# Altium PCB PCB2.PcbDoc (part 1 of 3)
Units mm, origin at the board's own origin, x right, y up, seen from the top; angles counter-clockwise.
Board outline 119.14 x 92.59 mm, 4 copper layers (Top Layer, GND Layer, PWR Layer, Bottom Layer), stack 1.471 mm thick; 167 components, 167 nets, 891 pads, 337 vias.
Unrouted connection lines stored in the file: 145.
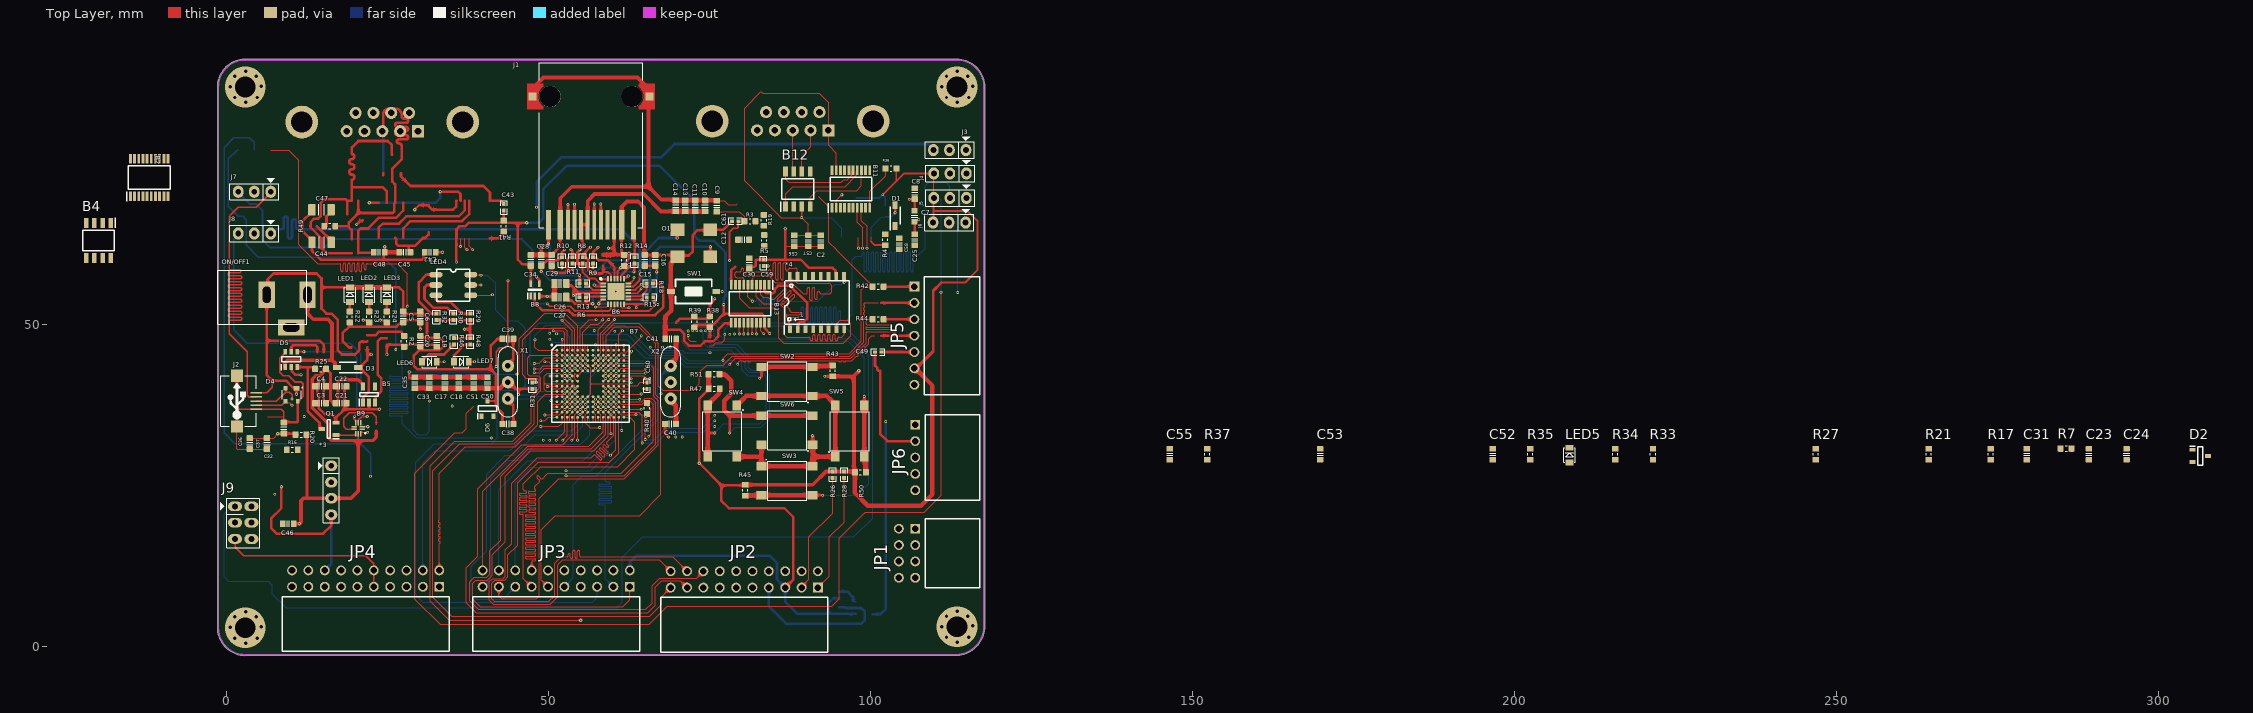
[diagram p0: Top Layer view]
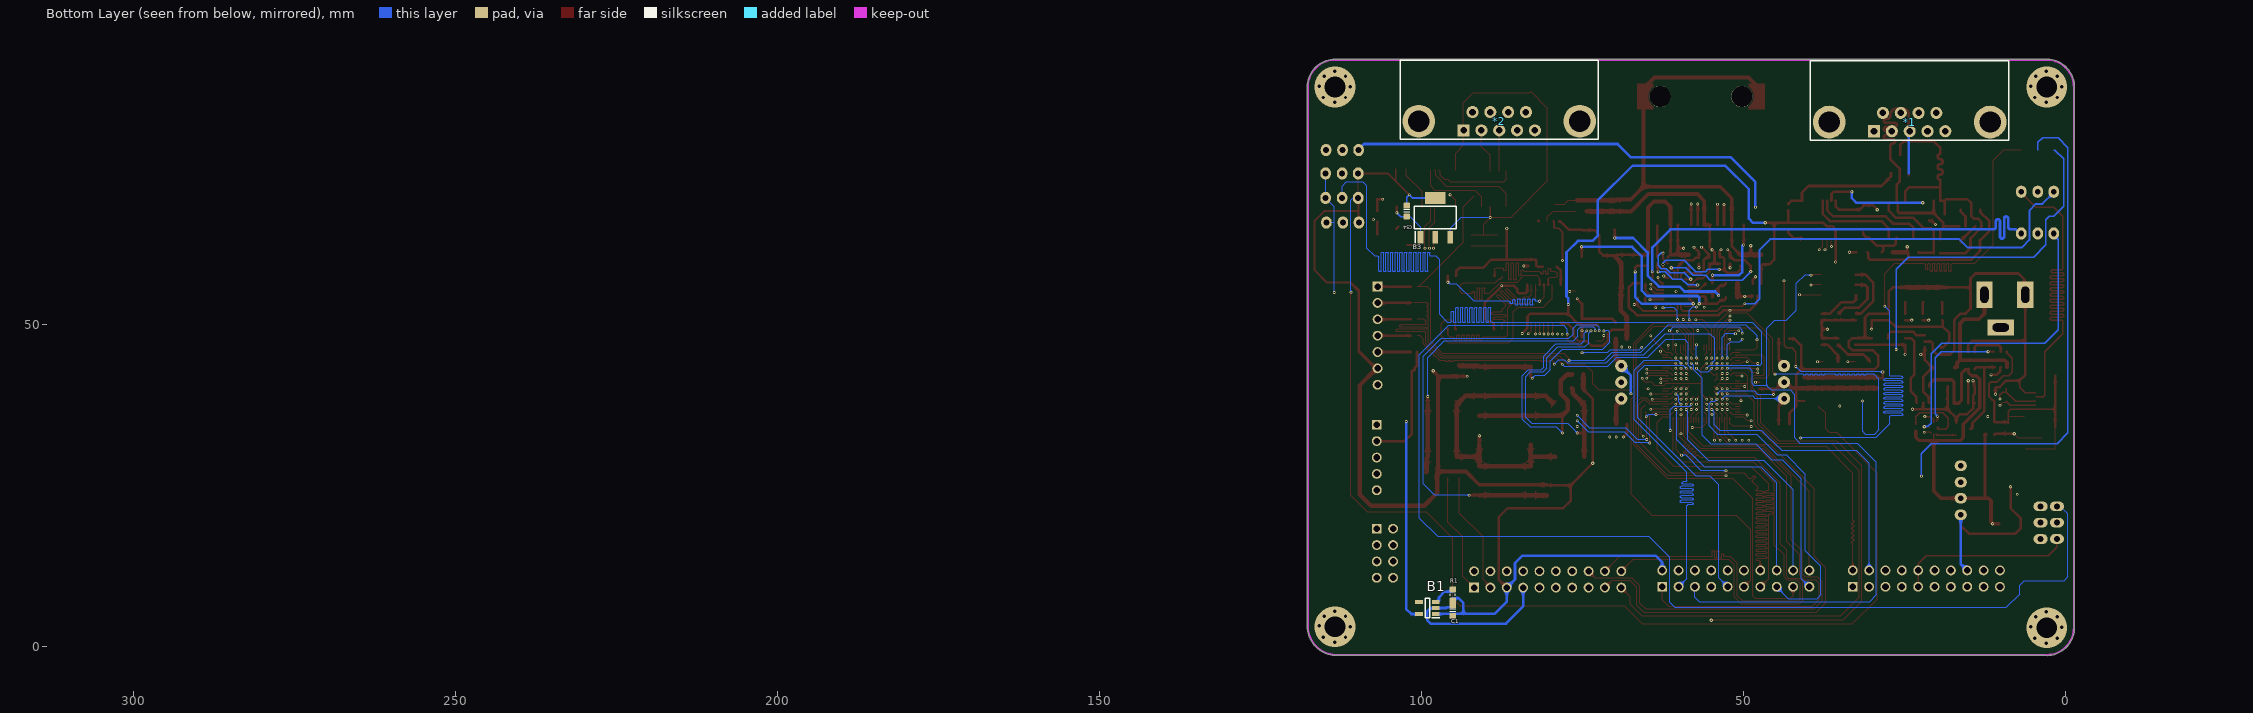
[diagram p1: Bottom Layer view, seen from below]
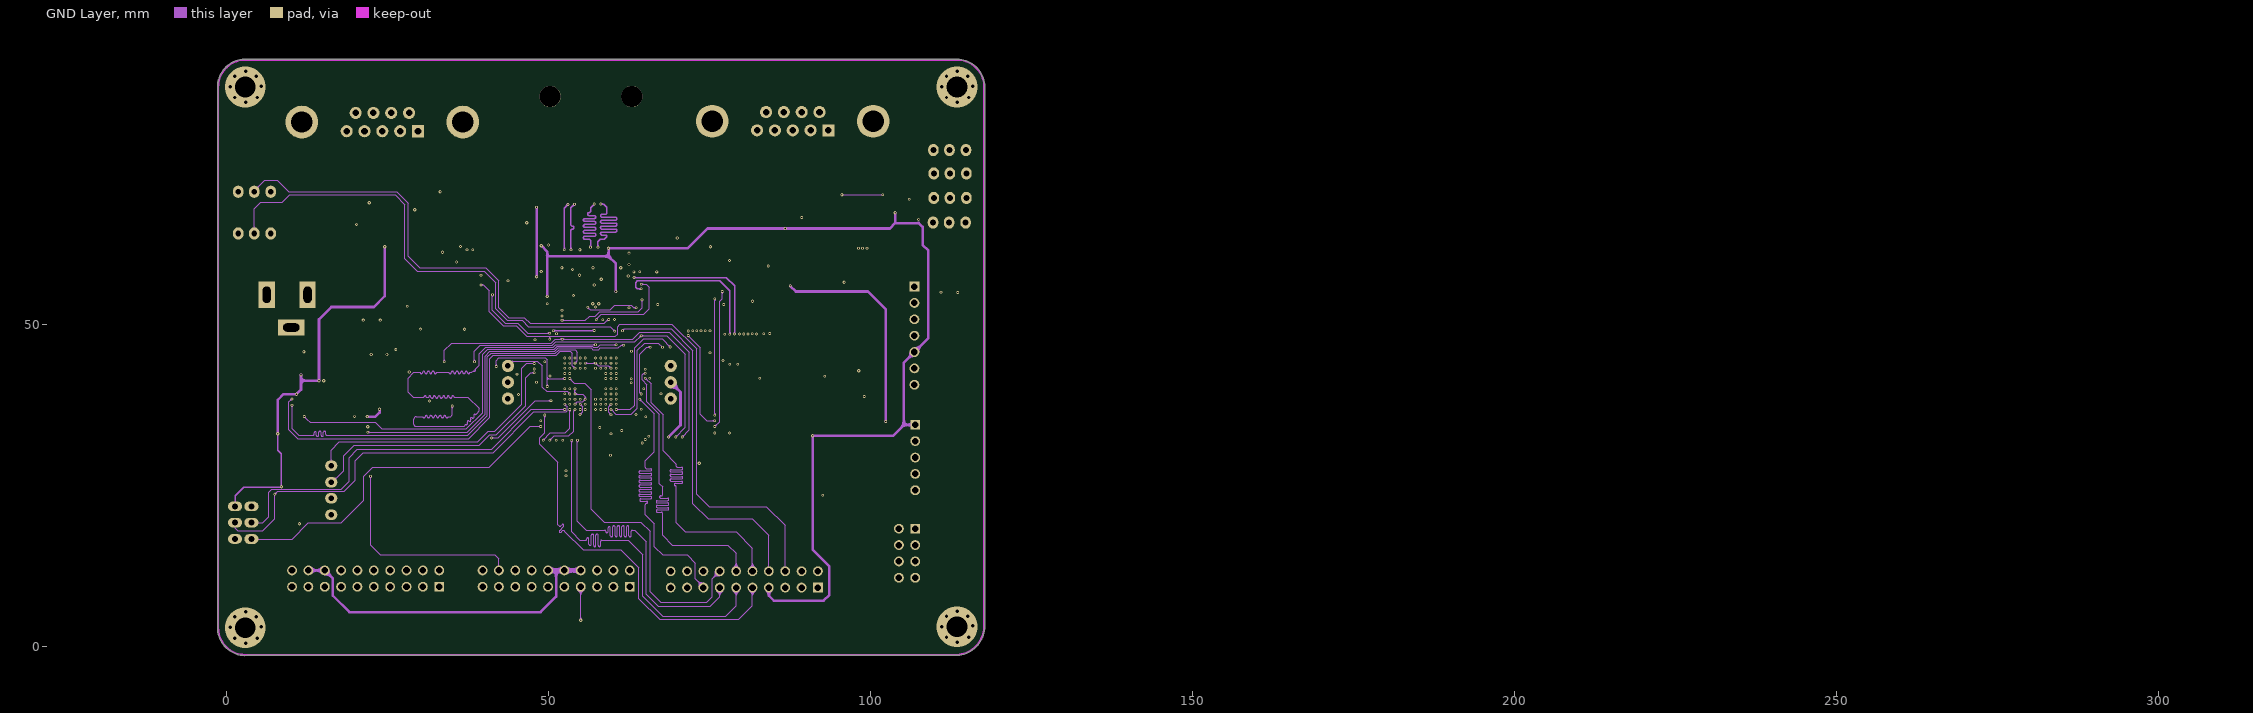
[diagram p2: GND Layer]
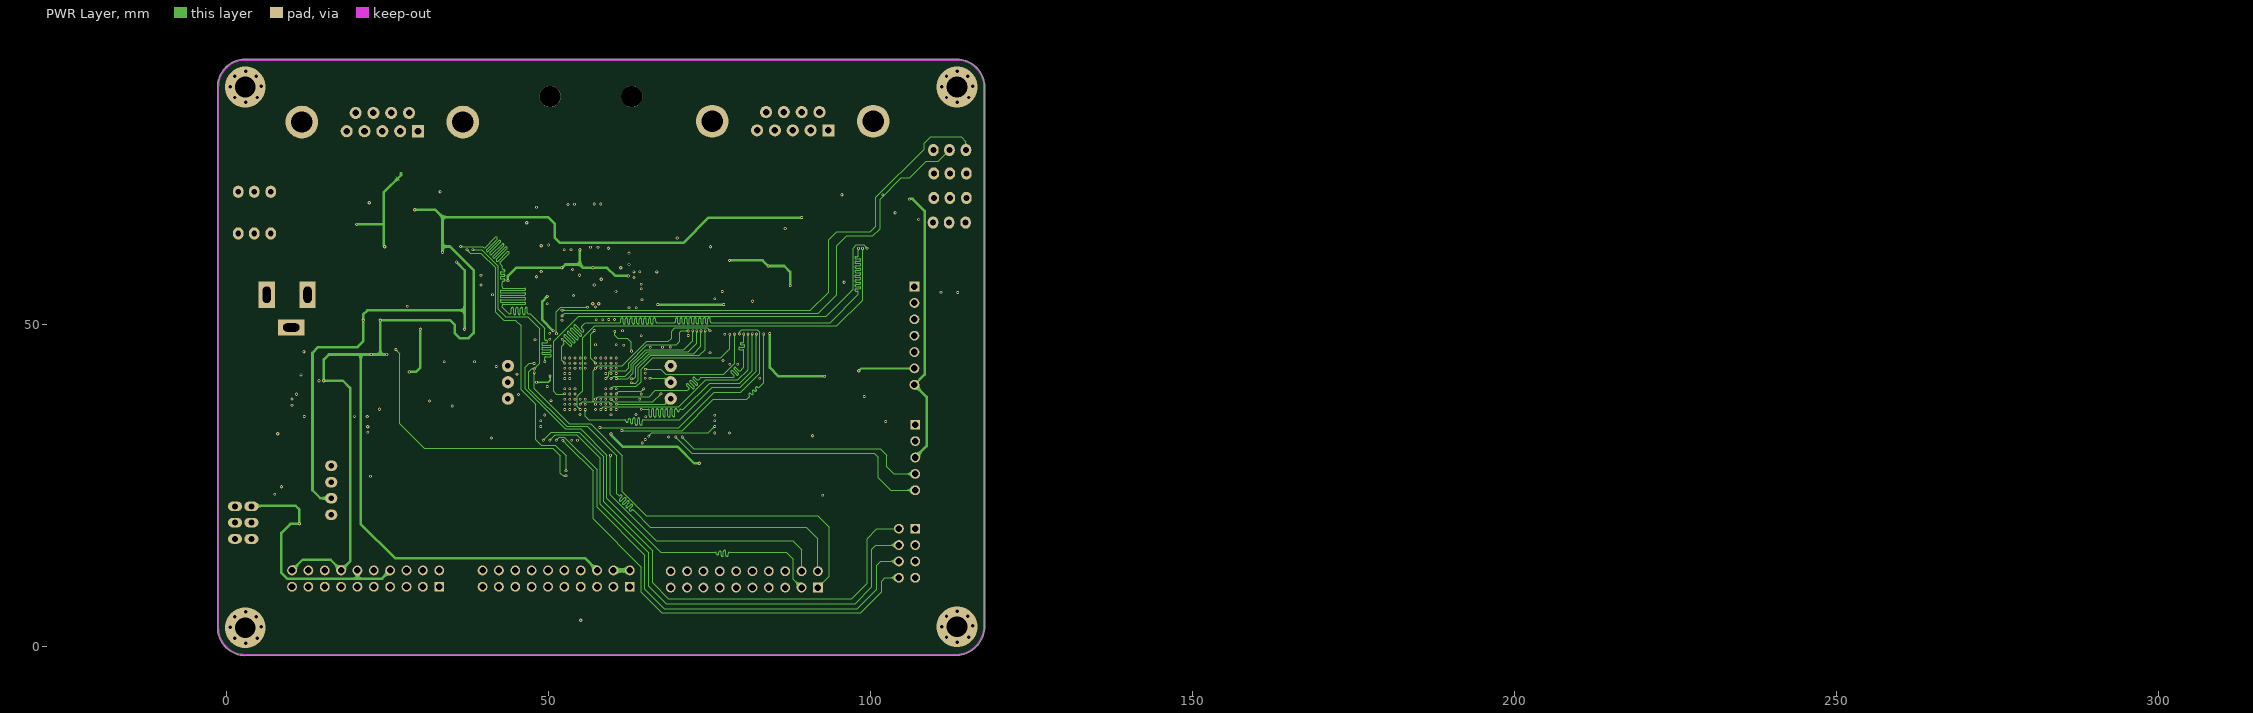
[diagram p3: PWR Layer]

## Layer stack, top to bottom
Top Solder: solder mask 0.0254, SM-001, Dk 4
Top Layer: signal copper 0.035
Dielectric 1: prepreg 0.2184, PP-023, Dk 4.5
Dielectric 2: prepreg 0.2184, PP-023, Dk 4.5
GND Layer: signal copper 0.035
Dielectric 3: core 0.4572, Core-035, Dk 4.7
PWR Layer: signal copper 0.035
Dielectric 4: prepreg 0.2184, PP-023, Dk 4.5
Dielectric 5: prepreg 0.2184, PP-023, Dk 4.5
Bottom Layer: signal copper 0.035
Bottom Solder: solder mask 0.0254, SM-001, Dk 4

## Board outline
-1.323,3.003 cw(c-1.196,3.003) -1.315,3.047 -1.315,87.585 cw(c-1.188,87.585) -1.25,87.696 cw(c3.003,86.95) 2.85,91.266 cw(c2.876,91.141) 2.876,91.268 113.493,91.268 cw(c113.493,86.95) 117.811,86.95 117.811,7.321 117.811,3.386 cw(c113.239,3.257) 117.813,3.257 cw(c113.239,3.257) 113.537,-1.307 cw(c113.493,-1.188) 113.493,-1.315 3.261,-1.315 cw(c3.003,3.003)

## Design rules (kind name [scope] priority, off if disabled: settings)
Clearance Clearance_2 [PolygonPourOverSameNet] p1: gap=0.15 ignorepadtopadclearanceinfootprint=FALSE
Clearance Clearance_1 [WithinRoom('CAN_DEVELOP')] p2: gap=0.05 ignorepadtopadclearanceinfootprint=TRUE
Clearance [All] p3: gap=0.2 ignorepadtopadclearanceinfootprint=FALSE
PolygonConnect [All] p1: connectstyle=Relief reliefconductorwidth=0.254 reliefentries=4 polygonreliefangle="90 Angle" airgapwidth=0.254
RoomDefinition CAN_DEVELOP [InComponentClass('CAN_DEVELOP')] p1: confinementstyle=ConfineIn formatcopy=TRUE lockcomponents=FALSE outline 49.249,33.552 49.249,48.21 63.907,48.21 63.907,33.552
RoutingCorners [All] p1: cornerstyle=45-Degree minsetback=5 maxsetback=5
RoutingVias RoutingVias_1 [WithinRoom('BGA Room')] p1: holewidth=0.2 width=0.45 viastyle="Through Hole" minholewidth=0.2 minwidth=0.45 maxholewidth=0.2 maxwidth=0.45
RoutingVias [All] p2: holewidth=0.2 width=0.42 viastyle="Through Hole" minholewidth=0.2 minwidth=0.42 maxholewidth=0.2 maxwidth=0.42
SolderMaskExpansion [All] p1: expansion=0.102 istentingtop=FALSE
Width Width_1 [WithinRoom('BGA Room')] p1: maxlimit=0.12 minlimit=0.12 preferedwidth=0.12
Width [All] p2: maxlimit=0.3 minlimit=0.1 preferedwidth=0.12
29 further rules are at their usual default settings.

## Components (designator, comment, footprint, x,y, rotation, side; value= is the part's Value field where it differs from the comment)
*1 "DB9" DB9 24.266,81.511 r180 bottom
*2 "DB9" DB9 87.994,81.638 r180 bottom
*3 "OLED_I2C" "OLED_I2C - duplicate" 18.243,24.466 r0 top
*4 "W77q128" W77Q 279.406,-220.948 r0 top
B1 "AP7331-WG-7" AP7331_WG 99.142,6.051 r0 bottom
B2 "TXS0108EPWRG4" TXS0108EPWRG4 -11.938,72.898 r90 top
B3 "AP2114H-3.3TRG1" SOT230P700X180-4N 97.917,66.675 r90 bottom
B4 "TJA1050T_CM_118" TJA1050 -19.812,63.119 r270 top
B5 "TLV70233DBVR" SOT95P280X145-5N 22.188,39.198 r90 top
B6 "LAN8720AI-CP" QFN50P400X400X100-25N-D 60.534,55.2 r0 top
B7 "LPC54628J512ET180E" BGA180C80P14X14_1200X1200X120 56.578,40.881 r0 top
B8 "74LVC1G04GW_125" SOT65P212X110-5N 47.961,55.454 r90 top
B9 "NX3L2267GU_115" QFN40P140X180X50-10N 20.529,33.991 r180 top
B11 "TXS0108EPWRG4" TXS0108EPWRG4 97.028,71.12 r90 top
B12 "TJA1050T_CM_118" TJA1050 88.773,71.12 r90 top
B13 "TXS0108EPWRG4" TXS0108EPWRG4 81.362,53.295 r270 top
C1 "0.1uF" CAPC1608X90N 95.205,5.67 r90 bottom
C2 "0.1uF" CAPC1608X90N 92.329,63.084 r270 top
C3 "0.1uF" CAPC1608X90N 14.679,37.86 r180 top
C4 "10uF" CAPC1608X90N 14.679,40.491 r180 top
C5 "0.1uF" CAPC1608X90N 27.514,51.255 r90 top
C6 "10uF" CAPC1608X90N 30.138,51.255 r90 top
C7 "10uF" CAPC1608X90N 106.897,66.884 r270 top
C8 "0.1uF" CAPC1608X90N 106.934,70.397 r90 top
C9 "10uF" CAPC1608X90N 76.2,68.453 r90 top
C10 "0.1uF" CAPC1608X90N 74.377,68.496 r90 top
C11 "0.1uF" CAPC1608X90N 72.853,68.496 r90 top
C12 "0.1uF" CAPC1608X90N 80.352,63.246 r180 top
C13 "0.1uF" CAPC1608X90N 71.329,68.496 r90 top
C14 "0.1uF" CAPC1608X90N 69.805,68.496 r90 top
C15 "10uF" CAPC1608X90N 65.021,60.026 r90 top
C16 "0.1uF" CAPC1608X90N 66.63,60.026 r90 top
C17 "4.7uF 10V" CAPC1608X90N 33.991,41.036 r270 top
C18 "470pF" CAPC1608X90N 36.15,41.036 r270 top
C19 "1uF" CAPC1608X90N 32.721,47.461 r90 top
C20 "0.1uF" CAPC1608X90N 30.181,47.461 r90 top
C21 "0.1uF" CAPC1608X90N 17.862,37.86 r0 top
C22 "0.1uF" CAPC1608X90N 17.862,40.468 r0 top
C23 "10uF" CAPC1608X90N 289.261,29.927 r90 top
C24 "10uF" CAPC1608X90N 295.103,29.927 r90 top
C25 "0.1uF" CAPC1608X90N 106.934,63.246 r90 top
C26 "approved sub OK" CAPC2012X135N 51.898,54.311 r180 top value=27pF
C27 "approved sub OK" CAPC2012X135N 51.898,56.47 r0 top value=27pF
C28 "18pF" CAPC1608X90N 48.935,60.026 r90 top
C29 "18pF" CAPC1608X90N 50.543,60.026 r90 top
C30 "18pF" CAPC1608X90N 81.235,59.526 r270 top
C31 "18pF" CAPC1608X90N 279.609,29.927 r90 top
C32 "4.7uF 10V" CAPC1608X90N 8.972,33.991 r270 top
C33 "10uF" CAPC1608X90N 31.578,41.036 r90 top
C34 "0.01uF" CAPC1608X90N 47.326,60.026 r90 top
C35 "4.7uF" CAPC1608X90N 29.292,41.036 r90 top
C36 "4.7uF 10V" CAPC1608X90N 3.683,31.584 r90 top
C37 "4.7uF 10V" CAPC1608X90N 6.35,31.588 r90 top
C38 "27pF" CAPC1608X90N 43.77,34.626 r0 top
C39 "27pF" CAPC1608X90N 43.77,47.834 r0 top
C40 "18p" CAPC1608X90N 69.004,34.626 r0 top
C41 "18p" CAPC1608X90N 69.043,47.834 r180 top
C42 "0.1uF 10V" CAPC1608X90N 31.705,61.296 r180 top
C43 "0.01uF" CAPC1005X55N 43.135,68.273 r90 top
C44 "0.01uF" CAPC3216X180N 14.838,62.82 r180 top
C45 "4.7uF" CAPC1608X90N 27.768,61.296 r180 top
C46 "0.1uF" CAPC1608X90N 9.646,19.132 r0 top
C47 "0.1uF" CAPC3216X180N 14.814,67.9 r180 top
C48 "0.1uF" CAPC1608X90N 23.792,61.296 r0 top
C49 "0.1uF" CAPC1005X55N 101.261,45.802 r0 top
C50 "10uF" CAPC1608X90N 40.595,41.036 r270 top
C51 "4.7uF" CAPC1608X90N 38.436,41.036 r270 top
C52 "0.1uF" CAPC1608X90N 196.678,29.927 r90 top
C53 "0.1uF" CAPC1608X90N 169.881,29.927 r90 top
C54 "0.1uF" CAPC1608X90N 102.362,67.691 r270 bottom
C55 "10uF" CAPC1608X90N 146.513,29.927 r90 top
C56 "4.7uF 10V" CAPC1608X90N 88.22,63.084 r270 top
C57 "0.1uF" CAPC1608X90N 90.424,63.084 r270 top
C58 "10uF" CAPC1608X90N 104.521,62.611 r90 top
C59 "0.1uF" CAPC1005X55N 83.483,59.653 r90 top
C60 "0.1uF" CAPC1005X55N 65.36,40.587 r90 top
C61 "0.1uF" CAPC1005X55N 79.084,66.122 r180 top
D1 "PMEG2005EGWX" PMEG2005EGWX 103.897,67.011 r90 top
D2 "RESD1CANYT116" RESD1CANYT116 306.533,29.673 r0 top
D3 "PMEG2005EGWX" PMEG2005EGWX 18.878,43.389 r180 top
D4 "PRTR5V0U2X_215" PRTR5V0U2X 10.189,39.182 r180 top
D5 "NX5P2553GV" SOT95P250X110-6N 10.115,44.659 r90 top
D6 "RESD1CANYT116" RESD1CANYT116 40.595,37.039 r90 top
J1 "ARJE-0034" ARJE-0034 56.659,77.915 r180 top
J2 "USB-5" USB-M1 4.654,38.182 r90 top
J3 "Jumper 3" JP3 112.35,77.171 r180 top value=J3
J4 "Jumper 3" JP3 112.42,73.533 r180 top value=J3
J5 "Jumper 3" JP3 112.42,69.723 r180 top value=J3
J6 "Jumper 3" JP3 112.293,65.913 r180 top value=J3
J7 "USB0 OF ETH (OK)" JP3 4.4,70.694 r180 top value=J3
J8 "USB0 OF ETH (OK)" JP3 4.4,64.217 r180 top value=J3
J9 "Connector 3x2" JP3x2 2.667,19.304 r270 top
JP1 "Analog In2x4 2.54" "JP 2X4 CC" 105.746,14.56 r270 top
JP2 "Digital 2x101 (ok)" "JP 2x10 CC" 80.473,10.496 r180 top
JP3 "Digital 2x10 2" "JP 2x10 CC" 51.263,10.623 r180 top
JP4 "Power 2x10 2.54" "JP 2x10 CC" 21.672,10.623 r180 top
JP5 "JP 1x7 2.54" "JP 1x7 CC" 106.889,48.342 r270 top
JP6 "Uart 1x5 2.54" "JP 1x5 CC" 107.016,29.419 r270 top
LED1 "LED SMD" SM-LED-0805-Blue 19.259,53.549 r90 top
LED2 "LED SMD" SM-LED-0805-Blue 22.18,53.549 r90 top
LED3 "LED SMD" SM-LED-0805-Blue 24.974,53.549 r90 top
LED4 "150141M173100" "LED RGB 5050" 35.388,56.216 r0 top
LED5 "LED SMD" SM-LED-0805-Blue 208.616,28.657 r90 top
LED6 "LED SMD" SM-LED-0805-Blue 30.435,44.278 r0 top
LED7 "LED SMD" SM-LED-0805-Blue 35.388,44.278 r0 top
O1 "25Mhz" "OSC SMD5070" 72.671,62.693 r180 top value=4Mhz
ON/OFF1 "POWER" DC-IN 9.48,52.152 r0 top
Q1 "BSS138P_215" SOT95P230X110-3N 15.957,33.864 r180 top
R1 "RES_NL_0603" RESC1608X55N 95.205,8.083 r90 bottom value=10K
R2 "RES_NL_0603" RESC1608X55N 27.641,47.453 r90 top value=4k7
R3 "RES_NL_0603" RESC1608X55N 81.354,66.122 r0 top value=10K
R4 "RES_NL_0603" RESC1608X55N 102.362,63.246 r90 top value=100K
R5 "RES_NL_0603" RESC1608X55N 83.566,63.119 r270 top value=10K
R6 "Thick Film" RESC1005X40N 55.398,54.311 r180 top value=1M
R7 "RES_NL_0603" RESC1608X55N 285.705,30.816 r0 top value=120
R8 "Thick Film" RESC1005X40N 55.381,60.026 r90 top value=1K
R9 "Thick Film" RESC1005X40N 56.99,60.026 r90 top value=1K
R10 "Thick Film" RESC1005X40N 52.164,60.026 r90 top value=1K
R11 "Thick Film" RESC1005X40N 53.773,60.026 r90 top value=1K
R12 "RES_NL_0603" RESC1608X55N 61.816,60.026 r90 top value=12.1K
R13 "Thick Film" RESC1005X40N 55.398,56.47 r180 top value=2K2
R14 "Thick Film" RESC1005X40N 63.425,60.026 r90 top value=2K2
R15 "Thick Film" RESC1005X40N 65.828,54.311 r0 top value=1K5
R16 "RES_NL_0603" RESC1608X55N 10.287,30.607 r0 top value=470
R17 "RES_NL_0603" RESC1608X55N 274.021,29.927 r90 top value=2K2
R18 "Thick Film" RESC1005X40N 65.812,56.47 r0 top value=330
R19 "RES_NL_0603" RESC1608X55N 83.521,66.249 r270 top value=220
R20 "RES_NL_0603" RESC1608X55N 11.639,32.975 r180 top value=220
R21 "RES_NL_0603" RESC1608X55N 264.369,29.927 r90 top value=220
R22 "RES_NL_0603" RESC1608X55N 19.222,51.255 r90 top value=330
R23 "RES_NL_0603" RESC1608X55N 22.227,51.255 r90 top value=330
R24 "RES_NL_0603" RESC1608X55N 24.977,51.255 r90 top value=100k
R25 "RES_NL_0603" RESC1608X55N 14.679,43.171 r180 top value=4k7
R26 "Thick Film" RESC1005X40N 94.189,26.752 r90 top value=2k2
R27 "RES_NL_0603" RESC1608X55N 246.843,29.927 r90 top value=100K
R28 "Thick Film" RESC1005X40N 95.967,26.76 r90 top value=2k2
R29 "Thick Film" RESC1005X40N 37.928,51.263 r270 top value=100
R30 "Thick Film" RESC1005X40N 35.304,51.263 r270 top value=100
R31 "Thick Film" RESC1005X40N 47.58,40.587 r90 top value=2k2
R32 "Thick Film" RESC1005X40N 32.681,51.263 r270 top value=100
R33 "RES_NL_0603" RESC1608X55N 221.57,29.927 r90 top value=2K2
R34 "RES_NL_0603" RESC1608X55N 215.728,29.927 r90 top value=2K2
R35 "RES_NL_0603" RESC1608X55N 202.52,29.927 r90 top value=2K2
R36 "RES_NL_0603" RESC1608X55N 103.251,74.295 r180 top value=4k7
R37 "RES_NL_0603" RESC1608X55N 152.355,29.927 r90 top value=4k7
R38 "RES_NL_0603" RESC1608X55N 75.139,50.501 r90 top value=4k7
R39 "RES_NL_0603" RESC1608X55N 72.726,50.501 r90 top value=4k7
R40 "RES_NL_0603" RESC1608X55N 65.36,37.039 r90 top value=4k7
R41 "RES_NL_0603" RESC1608X55N 43.135,65.36 r270 top value=10K
R42 "RES_NL_0603" RESC1608X55N 101.245,55.962 r0 top value=10K
R43 "RES_NL_0603" RESC1608X55N 94.189,42.881 r90 top value=4k7
R44 "RES_NL_0603" RESC1608X55N 101.245,50.882 r0 top value=120
R45 "RES_NL_0603" RESC1608X55N 80.6,24.339 r270 top value=4k7
R46 "Thick Film" RESC1005X40N 35.388,47.461 r270 top value=4.7K
R47 "RES_NL_0603" RESC1608X55N 75.813,40.087 r0 top value=4k7
R48 "Thick Film" RESC1005X40N 37.928,47.445 r270 top value=4.7K
R49 "RES_NL_0603" RESC1608X55N 16.092,65.36 r180 top value=100K
R50 "RES_NL_0603" RESC1608X55N 98.507,27.133 r0 top value=4k7
R51 "RES_NL_0603" RESC1608X55N 75.774,42.373 r0 top value=4k7
SW1 "SW" SW1-SMD 72.599,55.2 r180 top value="SW chip 2 pin"
SW2 "SW" SW2-SMD 87.115,41.23 r180 top value="Button chip 4 pin"
SW3 "SW" SW2-SMD 87.115,25.827 r0 top value="Button chip 4 pin"
SW4 "SW" SW2-SMD 77.044,33.529 r270 top value="Button chip 4 pin"
SW5 "SW" SW2-SMD 96.856,33.529 r90 top value="Button chip 4 pin"
SW6 "SW" SW2-SMD 87.115,33.672 r180 top value="Button chip 4 pin"
X1 "12Mhz" XT3 43.77,41.103 r270 top value=4Mhz
X2 "32.768K" XT3 69.043,41.103 r270 top value=4Mhz

## Footprints (in the part's own frame and the unit in brackets; to place one, negate y for a bottom-side part, rotate by r counter-clockwise, add the part's x,y. Pads: shape width x height; smd on the part's side, far side on the other; paste and mask are expansions set on the pad)
AP7331_WG [mm]
  rect 1.2x0.6 smd: 1(-1.3,0.95) 2(-1.3,0) 3(-1.3,-0.95) 4(1.3,-0.95) 5(1.3,0.95)
  silkscreen extent -1.9,-1.5 0.35,1.5, body extent -1.42,-1.5 1.43,1.5, height 1.45
ARJE-0034 [mm]
  rect 0.81x4.6 smd: 1(6.61,12.37) 2(4.77,12.37) 11(-4.77,12.37) 12(-6.61,12.37)
  rect 0.61x4.6 smd: 3(3.57,12.37) 4(2.55,12.37) 5(1.53,12.37) 6(0.51,12.37) 7(-0.51,12.37) 8(-1.53,12.37) 9(-2.55,12.37) 10(-3.57,12.37)
  rect 1.27x1.27 smd paste-2 mask+0: G1(-9.08,-7.56) G2(9.08,-7.56)
  round 3.3 hole 3.3 unplated: ""(-6.35,-7.56) ""(6.35,-7.56)
  Top Layer region: 9.92,-9.515 7.43,-9.515 7.43,-9.062 7.529,-8.985 7.616,-8.909 7.699,-8.826 7.775,-8.739 7.847,-8.647 7.912,-8.551 7.971,-8.451 8.024,-8.348 8.07,-8.241 8.109,-8.132 8.142,-8.02 8.167,-7.907 8.185,-7.792 8.196,-7.676 8.2,-7.56 8.196,-7.444 8.185,-7.328 8.167,-7.213 8.142,-7.1 8.109,-6.988 8.07,-6.879 8.024,-6.772 7.971,-6.669 7.912,-6.569 7.847,-6.473 7.775,-6.381 7.699,-6.294 7.616,-6.211 7.529,-6.135 7.43,-6.058 7.43,-5.605 9.92,-5.605
  Top Layer region: -7.43,-6.058 -7.529,-6.135 -7.616,-6.211 -7.699,-6.294 -7.775,-6.381 -7.847,-6.473 -7.912,-6.569 -7.971,-6.669 -8.024,-6.772 -8.07,-6.879 -8.109,-6.988 -8.142,-7.1 -8.167,-7.213 -8.185,-7.328 -8.196,-7.444 -8.2,-7.56 -8.196,-7.676 -8.185,-7.792 -8.167,-7.907 -8.142,-8.02 -8.109,-8.132 -8.07,-8.241 -8.024,-8.348 -7.971,-8.451 -7.912,-8.551 -7.847,-8.647 -7.775,-8.739 -7.699,-8.826 -7.616,-8.909 -7.529,-8.985 -7.43,-9.062 -7.43,-9.515 -9.92,-9.515 -9.92,-5.605 -7.43,-5.605
  silkscreen extent -8.05,-12.84 8.05,15.39, body extent -10.33,-12.84 10.33,14.44, height 16.77
BGA180C80P14X14_1200X1200X120 [mm]
  round 0.41 smd: A1(-5.2,5.2) A2(-4.4,5.2) A3(-3.6,5.2) A4(-2.8,5.2) A5(-2,5.2) A6(-1.2,5.2) A7(-0.4,5.2) A8(0.4,5.2) A9(1.2,5.2) A10(2,5.2) A11(2.8,5.2) A12(3.6,5.2) A13(4.4,5.2) A14(5.2,5.2) B1(-5.2,4.4) B2(-4.4,4.4) B3(-3.6,4.4) B4(-2.8,4.4) B5(-2,4.4) B6(-1.2,4.4) B7(-0.4,4.4) B8(0.4,4.4) B9(1.2,4.4) B10(2,4.4) B11(2.8,4.4) B12(3.6,4.4) B13(4.4,4.4) B14(5.2,4.4) C1(-5.2,3.6) C2(-4.4,3.6) C3(-3.6,3.6) C4(-2.8,3.6) C5(-2,3.6) C6(-1.2,3.6) C7(-0.4,3.6) C8(0.4,3.6) C9(1.2,3.6) C10(2,3.6) C11(2.8,3.6) C12(3.6,3.6) C13(4.4,3.6) C14(5.2,3.6) D1(-5.2,2.8) D2(-4.4,2.8) D3(-3.6,2.8) D4(-2.8,2.8) D5(-2,2.8) D6(-1.2,2.8) D7(-0.4,2.8) D8(0.4,2.8) D9(1.2,2.8) D10(2,2.8) D11(2.8,2.8) D12(3.6,2.8) D13(4.4,2.8) D14(5.2,2.8) E1(-5.2,2) E2(-4.4,2) E3(-3.6,2) E4(-2.8,2) E5(-2,2) E6(-1.2,2) E7(-0.4,2) E8(0.4,2) E9(1.2,2) E10(2,2) E11(2.8,2) E12(3.6,2) E13(4.4,2) E14(5.2,2) F1(-5.2,1.2) F2(-4.4,1.2) F3(-3.6,1.2) F4(-2.8,1.2) F5(-2,1.2) F10(2,1.2) F11(2.8,1.2) F12(3.6,1.2) F13(4.4,1.2) F14(5.2,1.2) G1(-5.2,0.4) G2(-4.4,0.4) G3(-3.6,0.4) G4(-2.8,0.4) G5(-2,0.4) G10(2,0.4) G11(2.8,0.4) G12(3.6,0.4) G13(4.4,0.4) G14(5.2,0.4) H1(-5.2,-0.4) H2(-4.4,-0.4) H3(-3.6,-0.4) H4(-2.8,-0.4) H5(-2,-0.4) H10(2,-0.4) H11(2.8,-0.4) H12(3.6,-0.4) H13(4.4,-0.4) H14(5.2,-0.4) J1(-5.2,-1.2) J2(-4.4,-1.2) J3(-3.6,-1.2) J4(-2.8,-1.2) J5(-2,-1.2) J10(2,-1.2) J11(2.8,-1.2) J12(3.6,-1.2) J13(4.4,-1.2) J14(5.2,-1.2) K1(-5.2,-2) K2(-4.4,-2) K3(-3.6,-2) K4(-2.8,-2) K5(-2,-2) K6(-1.2,-2) K7(-0.4,-2) K8(0.4,-2) K9(1.2,-2) K10(2,-2) K11(2.8,-2) K12(3.6,-2) K13(4.4,-2) K14(5.2,-2) L1(-5.2,-2.8) L2(-4.4,-2.8) L3(-3.6,-2.8) L4(-2.8,-2.8) L5(-2,-2.8) L6(-1.2,-2.8) L7(-0.4,-2.8) L8(0.4,-2.8) L9(1.2,-2.8) L10(2,-2.8) L11(2.8,-2.8) L12(3.6,-2.8) L13(4.4,-2.8) L14(5.2,-2.8) M1(-5.2,-3.6) M2(-4.4,-3.6) M3(-3.6,-3.6) M4(-2.8,-3.6) M5(-2,-3.6) M6(-1.2,-3.6) M7(-0.4,-3.6) M8(0.4,-3.6) M9(1.2,-3.6) M10(2,-3.6) M11(2.8,-3.6) M12(3.6,-3.6) M13(4.4,-3.6) M14(5.2,-3.6) N1(-5.2,-4.4) N2(-4.4,-4.4) N3(-3.6,-4.4) N4(-2.8,-4.4) N5(-2,-4.4) N6(-1.2,-4.4) N7(-0.4,-4.4) N8(0.4,-4.4) N9(1.2,-4.4) N10(2,-4.4) N11(2.8,-4.4) N12(3.6,-4.4) N13(4.4,-4.4) N14(5.2,-4.4) P1(-5.2,-5.2) P2(-4.4,-5.2) P3(-3.6,-5.2) P4(-2.8,-5.2) P5(-2,-5.2) P6(-1.2,-5.2) P7(-0.4,-5.2) P8(0.4,-5.2) P9(1.2,-5.2) P10(2,-5.2) P11(2.8,-5.2) P12(3.6,-5.2) P13(4.4,-5.2) P14(5.2,-5.2)
  silkscreen extent -6.1,-6 6,6.1, body extent -6,-6 6,6, height 1.2
CAPC1005X55N [mm] "Chip Capacitor, Body 1.0x0.5mm, EIA 0402, IPC Medium Density"
  round 0.2 on Mech15: 0(0,0)
  rrect20% 0.6x0.5 smd: 1(-0.5,0) 2(0.5,0)
  Top Layer pour cut-out: -0.325,0.375 -0.2,0.5 0.2,0.5 0.325,0.375 0.325,-0.375 0.2,-0.5 -0.2,-0.5 -0.325,-0.375
  silkscreen extent -1.05,-0.5 1.05,0.5, body extent -0.52,-0.27 0.53,0.28, height 0.55
CAPC1608X90N [mm]
  round 0.254 on Mech15: 0(0,0)
  rrect25% 0.9x1 smd: 1(-0.85,0) 2(0.85,0)
  Top Layer pour cut-out: -0.6,0.5 -0.4,0.7 0.4,0.7 0.6,0.5 0.6,-0.5 0.4,-0.7 -0.4,-0.7 -0.6,-0.5
  silkscreen extent -0.18,-0.48 0.18,0.48, body extent -0.85,-0.45 0.85,0.45, height 0.89
CAPC2012X135N [mm] "Chip Capacitor, Body 2.0x1.2mm, EIA 0805, IPC Medium Density"
  round 0.254 on Mech15: 0(0,0)
  rrect25% 1x1.4 smd: 1(-0.9,0) 2(0.9,0)
  Top Layer pour cut-out: -0.675,0.7 -0.475,0.9 0.475,0.9 0.675,0.7 0.675,-0.7 0.475,-0.9 -0.475,-0.9 -0.675,-0.7
  silkscreen extent -0.15,-0.65 0.15,0.65, body extent -1.1,-0.72 1.1,0.73, height 1.34
CAPC3216X180N [mm] "Chip Capacitor, Body 3.2x1.6mm, 1.8mm H, EIA 1206, IPC Medium Density"
  round 0.508 on Mech15: 0(0,0)
  rrect25% 1.15x1.8 smd: 1(-1.5,0) 2(1.5,0)
  silkscreen extent -0.4,-0.88 0.4,0.88, body extent -1.7,-0.9 1.7,0.9, height 1.8
DB9 [mil]
  rect 74x74 hole 40: 1(-218.11,-55.91)
  round 74 hole 40: 2(-109.06,-55.91) 3(0,-55.91) 4(109.06,-55.91) 5(218.11,-55.91) 6(-163.39,55.91) 7(-54.33,55.91) 8(54.33,55.91) 9(163.39,55.91)
  round 200 hole 130: G1(-492.13,0) G2(492.13,0)
  silkscreen extent -606,-110 606,374, body extent -598,-148 615,608, height 96
DC-IN [mil] "Jac DC input"
  rect 100x160 hole 50 slot 100 at 90 deg: 1(125,100) 2(-125,100)
  rect 160x100 hole 50 slot 100 at 0 deg: 3(25,-100)
  silkscreen extent -425,-80 120,250, body extent -410,-105 134,269, height 434
JP3 [mil] "Jumper 3"
  oval 65x75 hole 36: 1(-100,0) 2(1,0) 3(99,0)
  silkscreen extent -150,-81 150,50, body extent -150,-60 150,55, height 355